# KiCad board controller_rev5.0_flat.kicad_pcb
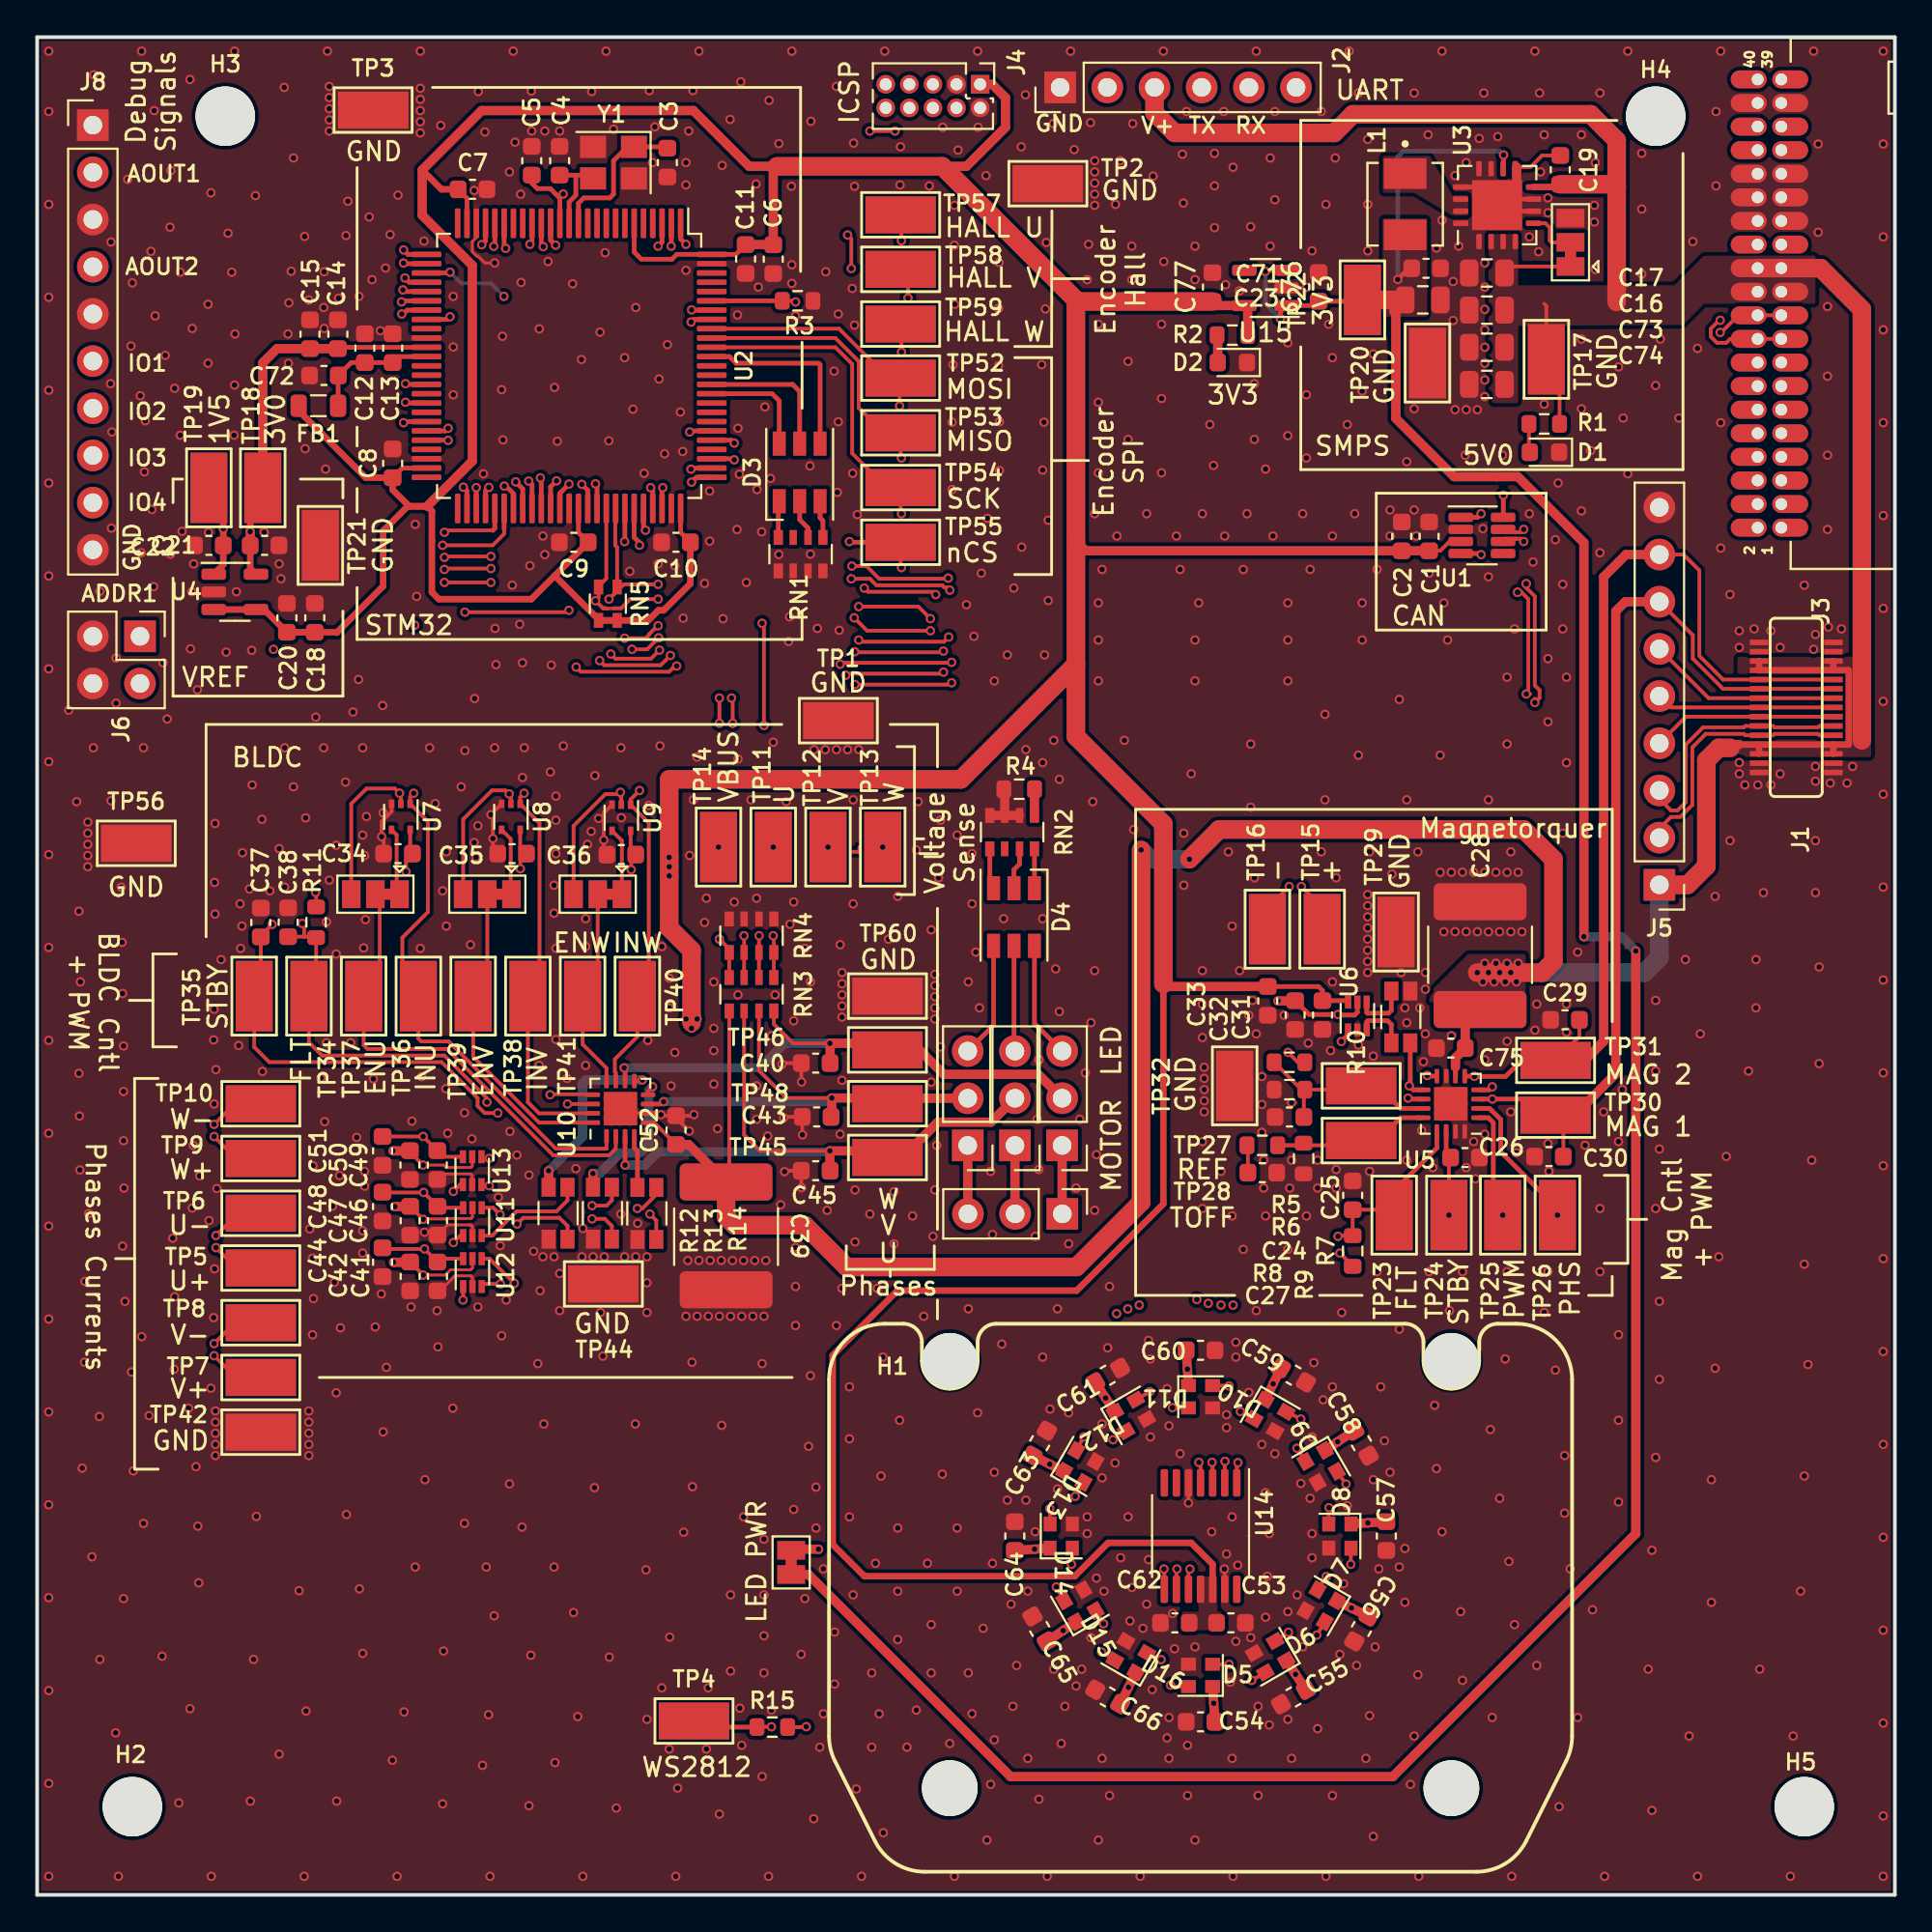
[diagram p0: board, top side]
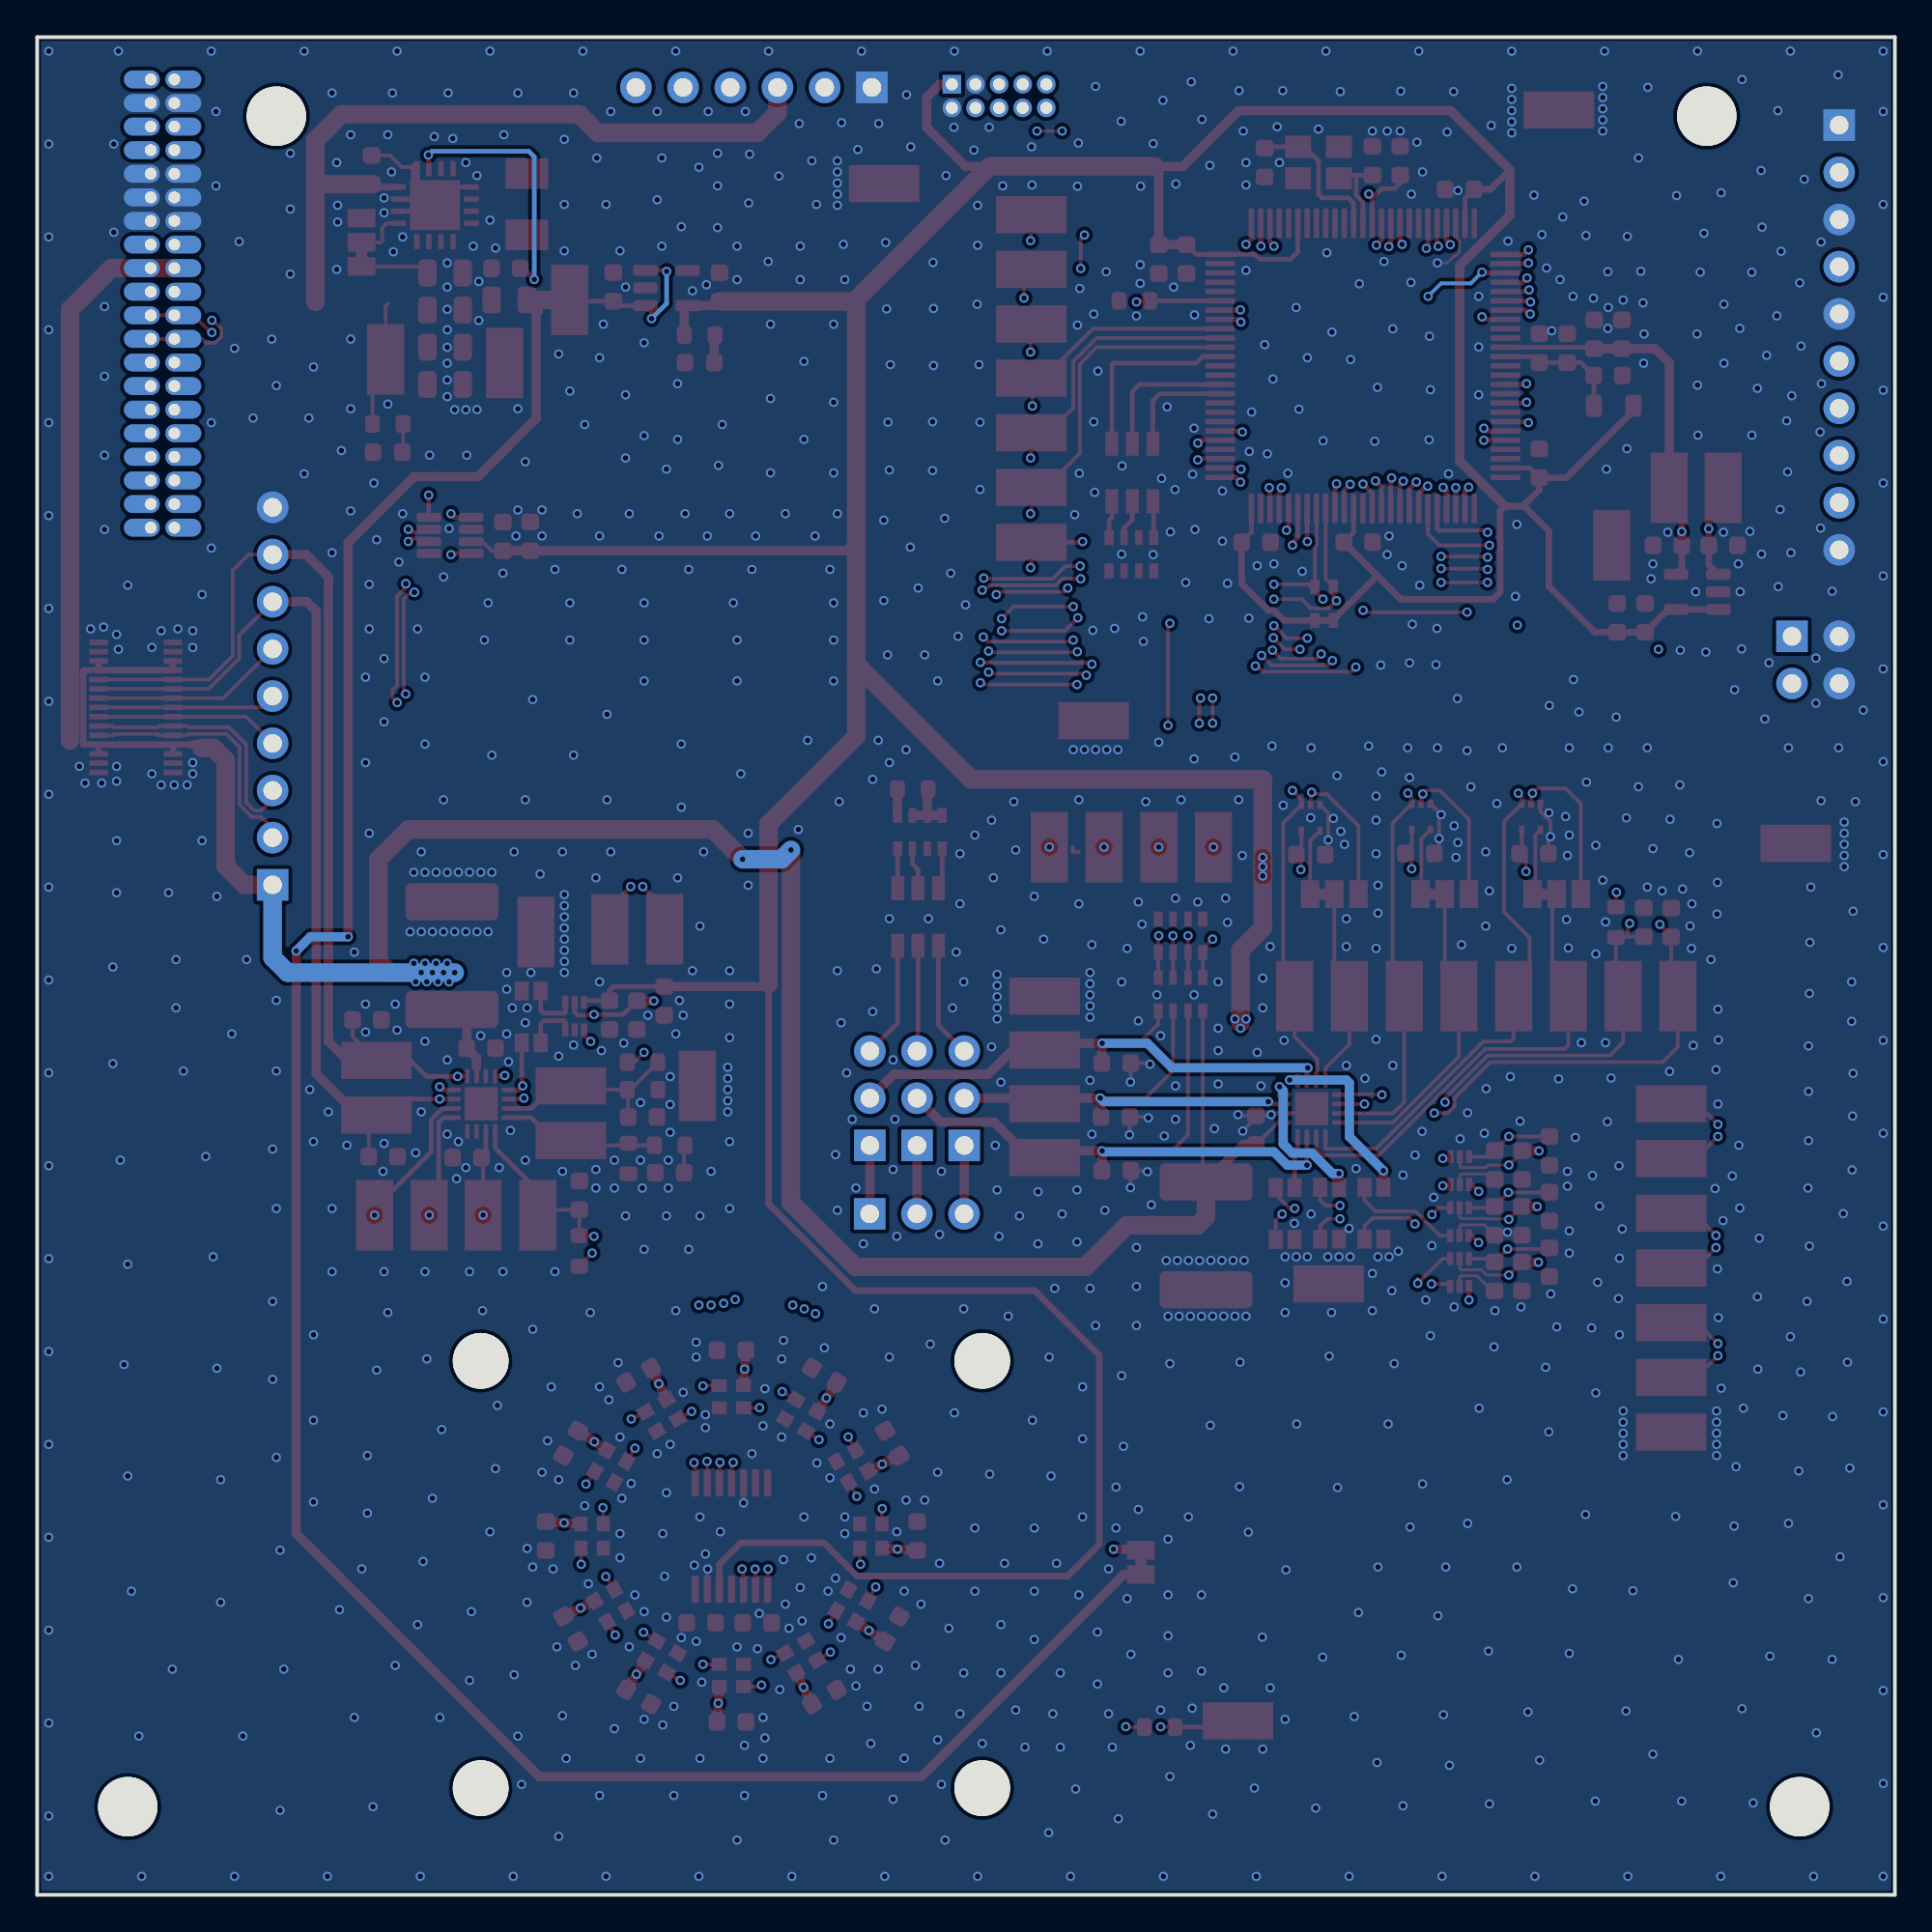
[diagram p1: board, bottom side, seen from below]

Outline 100 x 100 mm; copper layers: Top, In1.Cu, In2.Cu, Bottom. Coordinates in mm from the lower left corner of the outline.
Outline path: 0,100 0,0 100,0 100,100 0,100
Stack: Top 0.035mm / dielectric 0.2mm FR4 er 4.5 / In1.Cu 0.035mm / dielectric 1.04mm FR4 er 4.5 / In2.Cu 0.035mm / dielectric 0.2mm FR4 er 4.5 / Bottom 0.035mm

## Placement (name value [footprint] x y rotation side)
C1  100n  [C_0603_1608Metric]  74.93 73.13 90 top
C2  4.7u  [C_0603_1608Metric]  73.46 73.13 90 top
C3  20p  [C_0603_1608Metric]  33.93 93.25 270 top
C4  20p  [C_0603_1608Metric]  28.13 93.35 90 top
C5  100n  [C_0603_1608Metric]  26.63 93.35 90 top
C6  4.7u  [C_0603_1608Metric]  39.62 88.05 270 top
C7  100n  [C_0603_1608Metric]  23.44 91.81 0 top
C8  100n  [C_0603_1608Metric]  19.14 77.06 90 top
C9  100n  [C_0603_1608Metric]  28.89 72.81 180 top
C10  100n  [C_0603_1608Metric]  34.39 72.81 180 top
C11  100n  [C_0603_1608Metric]  38.14 88.06 270 top
C12  1u  [C_0603_1608Metric]  17.64 83.26 90 top
C13  10n  [C_0603_1608Metric]  19.14 83.26 90 top
C14  1u  [C_0603_1608Metric]  16.19 84.01 90 top
C15  100n  [C_0603_1608Metric]  14.69 84.01 90 top
C16  10u  [C_0805_2012Metric]  78.04 85.31 180 top
C17  10u  [C_0805_2012Metric]  78.04 87.31 180 top
C18  4.7u  [C_0603_1608Metric]  14.94 68.74 90 top
C19  1u  [C_0603_1608Metric]  81.99 92.86 90 top
C20  100n  [C_0603_1608Metric]  13.44 68.74 90 top
C21  100n  [C_0603_1608Metric]  12.24 72.64 0 top
C22  100n  [C_0603_1608Metric]  9.24 72.64 180 top
C23  47u  [C_0805_2012Metric]  74.59 85.86 0 top
C24  10n  [C_0603_1608Metric]  67.41 41.87 180 top
C25  10n  [C_0603_1608Metric]  70.82 37.66 90 top
C26  1n  [C_0603_1608Metric]  76.86 39.69 0 top
C27  22n  [C_0603_1608Metric]  65.95 38.87 0 top
C28  100u  [CKG57N]  77.67 50.56 90 top
C29  100p  [C_0603_1608Metric]  82.25 47.1 180 top
C30  100p  [C_0603_1608Metric]  81.38 39.74 180 top
C31  100n  [C_0603_1608Metric]  69.19 47.36 270 top
C32  100n  [C_0603_1608Metric]  67.72 47.36 270 top
C33  4.7u  [C_0603_1608Metric]  66.24 48.12 270 top
C34  100n  [C_0603_1608Metric]  19.43 56.05 180 top
C35  100n  [C_0603_1608Metric]  25.57 56.05 180 top
C36  100n  [C_0603_1608Metric]  31.45 56 180 top
C37  10n  [C_0603_1608Metric]  13.51 52.35 90 top
C38  1n  [C_0603_1608Metric]  12.04 52.34 90 top
C39  100u  [CKG57N]  37.08 35.47 270 top
C40  100p  [C_0603_1608Metric]  41.91 44.77 180 top
C41  100n  [C_0603_1608Metric]  21.55 33.29 270 top
C42  100n  [C_0603_1608Metric]  20.08 33.29 270 top
C43  100p  [C_0603_1608Metric]  41.96 41.88 180 top
C44  4.7u  [C_0603_1608Metric]  18.59 34.05 270 top
C45  100p  [C_0603_1608Metric]  41.91 38.98 180 top
C46  100n  [C_0603_1608Metric]  21.55 36.29 270 top
C47  100n  [C_0603_1608Metric]  20.08 36.29 270 top
C48  4.7u  [C_0603_1608Metric]  18.59 37.05 270 top
C49  100n  [C_0603_1608Metric]  21.54 39.29 270 top
C50  100n  [C_0603_1608Metric]  20.07 39.29 270 top
C51  4.7u  [C_0603_1608Metric]  18.59 40.05 270 top
C52  4.7u  [C_0603_1608Metric]  34.39 41.17 90 top
C53  100n  [C_0603_1608Metric]  64.26 14.64 0 top
C54  100n  [C_0603_1608Metric]  62.63 9.31 180 top
C55  100n  [C_0603_1608Metric]  67.63 10.65 210 top
C56  100n  [C_0603_1608Metric]  71.29 14.31 240 top
C57  100n  [C_0603_1608Metric]  72.63 19.31 270 top
C58  100n  [C_0603_1608Metric]  71.29 24.31 300 top
C59  100n  [C_0603_1608Metric]  67.63 27.97 330 top
C60  100n  [C_0603_1608Metric]  62.63 29.31 0 top
C61  100n  [C_0603_1608Metric]  57.63 27.97 30 top
C62  4.7u  [C_0603_1608Metric]  61.24 14.64 180 top
C63  100n  [C_0603_1608Metric]  53.97 24.31 60 top
C64  100n  [C_0603_1608Metric]  52.63 19.31 90 top
C65  100n  [C_0603_1608Metric]  53.97 14.31 120 top
C66  100n  [C_0603_1608Metric]  57.63 10.65 150 top
C71  4.7u  [C_0603_1608Metric]  74.77 87.56 0 top
C72  4.7u  [C_0603_1608Metric]  15.44 81.79 180 top
C73  10u  [C_0805_2012Metric]  78.04 83.31 180 top
C74  10u  [C_0805_2012Metric]  78.04 81.31 180 top
C75  4.7u  [C_0603_1608Metric]  76.1 45.58 180 top
C76  4.7u  [C_0603_1608Metric]  68.98 86.56 90 top
C77  4.7u  [C_0603_1608Metric]  63.27 86.55 90 top
D1  LED  [LED_0603_1608Metric]  81.14 77.66 180 top
D2  LED  [LED_0603_1608Metric]  64.34 82.49 180 top
D3  CLX6E-FKC-CH1M1D1BB7C3D3  [LED_RGB_PLCC-6-3DMODEL]  41.05 76.57 90 top
D4  CLX6E-FKC-CH1M1D1BB7C3D3  [LED_RGB_PLCC-6-3DMODEL]  52.58 52.64 270 top
D5  WS2812B  [SK6812-2020]  62.63 11.81 0 top
D6  WS2812B  [SK6812-2020]  66.38 12.82 30 top
D7  WS2812B  [SK6812-2020]  69.12 15.56 60 top
D8  WS2812B  [SK6812-2020]  70.13 19.31 90 top
D9  WS2812B  [SK6812-2020]  69.12 23.06 120 top
D10  WS2812B  [SK6812-2020]  66.38 25.81 150 top
D11  WS2812B  [SK6812-2020]  62.63 26.81 180 top
D12  WS2812B  [SK6812-2020]  58.88 25.81 210 top
D13  WS2812B  [SK6812-2020]  56.13 23.06 240 top
D14  WS2812B  [SK6812-2020]  55.13 19.31 270 top
D15  WS2812B  [SK6812-2020]  56.13 15.56 300 top
D16  WS2812B  [SK6812-2020]  58.88 12.82 330 top
FB1  FerriteBead_Small  [L_0805_2012Metric]  15.14 80.16 0 top
H1  RxnWheel  [reaction-wheel]  49.13 28.74 0 top
H2  Mounting Hole  [MountingHole_3.2mm_M3]  5.13 4.75 0 top
H3  Mounting Hole  [MountingHole_3.2mm_M3]  10.13 95.75 0 top
H4  Mounting Hole  [MountingHole_3.2mm_M3]  87.13 95.75 0 top
H5  Mounting Hole  [MountingHole_3.2mm_M3]  95.13 4.75 0 top
J1  MEZZ_PLUG  [MEZZANINE_PLUG]  94.69 63.92 90 top
J2  UART  [PinHeader_1x06_P2.54mm_Vertical]  55.07 97.29 90 top
J3  -  [J-SAMTEC-TFM-120-X1-XXX-D-RA]  93.25 85.66 270 top
J4  PROG  [PinHeader_2x05_P1.27mm_Vertical]  50.76 97.46 270 top
J5  MEZZ_BRKOUT  [PinHeader_1x09_P2.54mm_Vertical]  87.33 54.37 180 top
J6  ADDR  [PinHeader_2x02_P2.54mm_Vertical]  5.54 67.75 270 top
J7  MOTOR  [PinHeader_1x03_P2.54mm_Vertical]  55.19 36.66 270 top
J8  DEBUG_SIG  [PinHeader_1x10_P2.54mm_Vertical]  3 95.26 0 top
JP1  Jumper_3_Bridged12  [PinHeader_1x03_P2.54mm_Vertical]  55.18 40.34 180 top
JP2  Jumper_3_Bridged12  [PinHeader_1x03_P2.54mm_Vertical]  52.64 40.34 180 top
JP3  Jumper_3_Bridged12  [PinHeader_1x03_P2.54mm_Vertical]  50.09 40.34 180 top
JP4  SolderJumper_3_Bridged12  [SolderJumper-3_P1.3mm_Bridged12_Pad1.0x1.5mm]  82.54 88.96 90 top
JP5  SolderJumper_3_Bridged12  [SolderJumper-3_P1.3mm_Bridged12_Pad1.0x1.5mm]  18.21 53.87 180 top
JP6  SolderJumper_3_Bridged12  [SolderJumper-3_P1.3mm_Bridged12_Pad1.0x1.5mm]  24.23 53.87 180 top
JP7  SolderJumper_3_Bridged12  [SolderJumper-3_P1.3mm_Bridged12_Pad1.0x1.5mm]  30.18 53.87 180 top
JP8  Jumper_2_Bridged  [SolderJumper-2_P1.3mm_Bridged_Pad1.0x1.5mm]  40.59 17.89 90 top
L1  6.8u  [ECS-MPI4040R4]  73.64 91.01 270 top
NT1  NetTie_2  [NetTie-2_SMD_Pad0.5mm]  79.64 92.51 90 top
NT2  NetTie_2  [NetTie-2_SMD_Pad0.5mm]  67.3 48.12 180 top
NT3  NetTie_2  [NetTie-2_SMD_Pad0.5mm]  19.77 37.05 180 top
NT4  NetTie_2  [NetTie-2_SMD_Pad0.5mm]  19.7 34.05 180 top
NT5  NetTie_2  [NetTie-2_SMD_Pad0.5mm]  19.7 40.05 180 top
R1  1k  [R_0603_1608Metric]  81.13 79.18 180 top
R2  330  [R_0603_1608Metric]  64.34 83.96 180 top
R3  10k  [R_0603_1608Metric]  40.94 85.81 0 top
R4  40  [R_0603_1608Metric]  52.86 59.52 180 top
R5  36.5k  [R_0603_1608Metric]  67.41 44.82 0 top
R6  1k  [R_0603_1608Metric]  67.41 43.35 0 top
R7  18k  [R_0603_1608Metric]  70.82 34.66 90 top
R8  1k  [R_0603_1608Metric]  65.95 40.35 180 top
R9  47k  [R_0603_1608Metric]  68.17 39.64 270 top
R10  20m  [WSK1206]  73.41 47.26 270 top
R11  18k  [R_0603_1608Metric]  15.02 52.35 270 top
R12  40m  [WSK1206]  28.04 36.69 90 top
R13  40m  [WSK1206]  30.43 36.69 90 top
R14  40m  [WSK1206]  32.82 36.68 90 top
R15  220  [R_0603_1608Metric]  39.57 9.03 0 top
RN1  280  [R_Array_Convex_4x0603]  41.1 72.17 90 top
RN2  280  [R_Array_Convex_4x0603]  52.48 57.21 270 top
RN3  36k/1%  [R_Array_Convex_4x0603]  38.46 48.48 270 top
RN4  20k/1%  [R_Array_Convex_4x0603]  38.46 51.63 270 top
RN5  4.7k  [R_Array_Convex_2x0603]  30.72 69.5 270 top
TP1  TestPoint  [TestPoint_Keystone_5019_Minature-3DMODEL]  43.13 63.21 0 top
TP2  TestPoint  [TestPoint_Keystone_5019_Minature-3DMODEL]  54.41 92.11 0 top
TP3  TestPoint  [TestPoint_Keystone_5019_Minature-3DMODEL]  18.08 96.08 0 top
TP4  TestPoint  [TestPoint_Keystone_5019_Minature-3DMODEL]  35.36 9.36 0 top
TP5  TestPoint  [TestPoint_Keystone_5019_Minature-3DMODEL]  12.04 33.74 0 top
TP6  TestPoint  [TestPoint_Keystone_5019_Minature-3DMODEL]  12.04 36.69 0 top
TP7  TestPoint  [TestPoint_Keystone_5019_Minature-3DMODEL]  12.04 27.85 0 top
TP8  TestPoint  [TestPoint_Keystone_5019_Minature-3DMODEL]  12.04 30.8 0 top
TP9  TestPoint  [TestPoint_Keystone_5019_Minature-3DMODEL]  12.04 39.64 0 top
TP10  TestPoint  [TestPoint_Keystone_5019_Minature-3DMODEL]  12.04 42.58 0 top
TP11  TestPoint  [TestPoint_Keystone_5019_Minature-3DMODEL]  39.62 56.4 90 top
TP12  TestPoint  [TestPoint_Keystone_5019_Minature-3DMODEL]  42.57 56.4 90 top
TP13  TestPoint  [TestPoint_Keystone_5019_Minature-3DMODEL]  45.52 56.4 90 top
TP14  TestPoint  [TestPoint_Keystone_5019_Minature-3DMODEL]  36.68 56.4 90 top
TP15  TestPoint  [TestPoint_Keystone_5019_Minature-3DMODEL]  69.17 51.98 90 top
TP16  TestPoint  [TestPoint_Keystone_5019_Minature-3DMODEL]  66.23 51.98 90 top
TP17  TestPoint  [TestPoint_Keystone_5019_Minature-3DMODEL]  81.24 82.66 90 top
TP18  TestPoint  [TestPoint_Keystone_5019_Minature-3DMODEL]  12.14 75.74 90 top
TP19  TestPoint  [TestPoint_Keystone_5019_Minature-3DMODEL]  9.24 75.74 90 top
TP20  TestPoint  [TestPoint_Keystone_5019_Minature-3DMODEL]  74.84 82.46 90 top
TP21  TestPoint  [TestPoint_Keystone_5019_Minature-3DMODEL]  15.24 72.64 270 top
TP22  TestPoint  [TestPoint_Keystone_5019_Minature-3DMODEL]  71.34 85.86 90 top
TP23  TestPoint  [TestPoint_Keystone_5019_Minature-3DMODEL]  73.05 36.59 90 top
TP24  TestPoint  [TestPoint_Keystone_5019_Minature-3DMODEL]  76 36.59 270 top
TP25  TestPoint  [TestPoint_Keystone_5019_Minature-3DMODEL]  78.89 36.59 270 top
TP26  TestPoint  [TestPoint_Keystone_5019_Minature-3DMODEL]  81.84 36.59 270 top
TP27  TestPoint  [TestPoint_Keystone_5019_Minature-3DMODEL]  71.27 43.55 180 top
TP28  TestPoint  [TestPoint_Keystone_5019_Minature-3DMODEL]  71.27 40.6 180 top
TP29  TestPoint  [TestPoint_Keystone_5019_Minature-3DMODEL]  73.15 51.83 270 top
TP30  TestPoint  [TestPoint_Keystone_5019_Minature-3DMODEL]  81.74 41.97 180 top
TP31  TestPoint  [TestPoint_Keystone_5019_Minature-3DMODEL]  81.74 44.92 180 top
TP32  TestPoint  [TestPoint_Keystone_5019_Minature-3DMODEL]  64.47 43.55 270 top
TP34  TestPoint  [TestPoint_Keystone_5019_Minature-3DMODEL]  14.63 48.38 270 top
TP35  TestPoint  [TestPoint_Keystone_5019_Minature-3DMODEL]  11.68 48.38 270 top
TP36  TestPoint  [TestPoint_Keystone_5019_Minature-3DMODEL]  20.52 48.38 90 top
TP37  TestPoint  [TestPoint_Keystone_5019_Minature-3DMODEL]  17.58 48.38 90 top
TP38  TestPoint  [TestPoint_Keystone_5019_Minature-3DMODEL]  26.42 48.38 90 top
TP39  TestPoint  [TestPoint_Keystone_5019_Minature-3DMODEL]  23.47 48.38 90 top
TP40  TestPoint  [TestPoint_Keystone_5019_Minature-3DMODEL]  32.31 48.38 90 top
TP41  TestPoint  [TestPoint_Keystone_5019_Minature-3DMODEL]  29.36 48.38 90 top
TP42  TestPoint  [TestPoint_Keystone_5019_Minature-3DMODEL]  12.04 24.9 0 top
TP44  TestPoint  [TestPoint_Keystone_5019_Minature-3DMODEL]  30.48 32.88 180 top
TP45  TestPoint  [TestPoint_Keystone_5019_Minature-3DMODEL]  45.77 39.69 180 top
TP46  TestPoint  [TestPoint_Keystone_5019_Minature-3DMODEL]  45.77 45.48 180 top
TP48  TestPoint  [TestPoint_Keystone_5019_Minature-3DMODEL]  45.77 42.59 180 top
TP52  TestPoint  [TestPoint_Keystone_5019_Minature-3DMODEL]  46.48 81.65 0 top
TP53  TestPoint  [TestPoint_Keystone_5019_Minature-3DMODEL]  46.48 78.7 0 top
TP54  TestPoint  [TestPoint_Keystone_5019_Minature-3DMODEL]  46.48 75.76 0 top
TP55  TestPoint  [TestPoint_Keystone_5019_Minature-3DMODEL]  46.48 72.81 0 top
TP56  TestPoint  [TestPoint_Keystone_5019_Minature-3DMODEL]  5.33 56.6 0 top
TP57  TestPoint  [TestPoint_Keystone_5019_Minature-3DMODEL]  46.48 90.44 0 top
TP58  TestPoint  [TestPoint_Keystone_5019_Minature-3DMODEL]  46.48 87.5 0 top
TP59  TestPoint  [TestPoint_Keystone_5019_Minature-3DMODEL]  46.48 84.56 0 top
TP60  TestPoint  [TestPoint_Keystone_5019_Minature-3DMODEL]  45.77 48.38 180 top
U1  TCAN330  [SOT-23-8]  77.77 73.18 0 top
U2  STM32G473V  [LQFP-100_14x14mm_P0.5mm]  28.64 82.31 270 top
U3  TPS62112  [QFN-16-1EP_4x4mm_P0.65mm_EP2.7x2.7mm]  78.59 90.96 90 top
U4  REF2030  [TSOT-23-5]  10.64 70.14 0 top
U5  STSPIN250  [VQFN-16-1EP_3x3mm_P0.5mm_EP1.8x1.8mm]  76.1 42.58 180 top
U6  INA185  [SOT-563]  71.07 47.31 90 top
U7  SN74LVC1G86  [SOT-553]  19.58 58.03 270 top
U8  SN74LVC1G86  [SOT-553]  25.5 58.03 270 top
U9  SN74LVC1G86  [SOT-553]  31.45 57.98 270 top
U10  STSPIN233  [VQFN-16-1EP_3x3mm_P0.5mm_EP1.8x1.8mm]  31.4 42.32 90 top
U11  INA185  [SOT-563]  23.43 36.24 90 top
U12  INA185  [SOT-563]  23.43 33.49 90 top
U13  INA185  [SOT-563]  23.42 38.98 90 top
U14  AS5047P  [TSSOP-14_4.4x5mm_P0.65mm]  62.63 19.31 270 top
U15  MIC5504-3.3YM5  [SOT-23-5]  66.12 86.5 180 top
Y1  16MHz  [Crystal_SMD_3225-4Pin_3.2x2.5mm]  31.03 93.25 180 top

## Library data of the parts
C23 = -: P/N: GRM21BR61A476ME15
C28 C39 = -: P/N: CKG57NX7S1C107M500JH
L1 = -: P/N: ECS-MPI4040R4-6R8-R
R10 = -: P/N: WSK1206R0200FEA18
R12-R14 = -: P/N: WSK1206R0400FEA18
Y1 = -: P/N: ABM10

## Footprints (pads in the part's own frame, mm; a bottom-side part is the same pattern mirrored in y, then rotated)
C_0603_1608Metric
  rrect 0.9x0.95 smd: 1(-0.775,0) 2(0.775,0)
C_0805_2012Metric
  rrect 1x1.45 smd: 1(-0.95,0) 2(0.95,0)
CKG57N
  rrect 2x5 smd: 1(-2.9,0) 2(2.9,0)
Crystal_SMD_3225-4Pin_3.2x2.5mm
  rect 1.4x1.2 smd: 1(-1.1,-0.85) 2(1.1,-0.85) 3(1.1,0.85) 4(-1.1,0.85)
ECS-MPI4040R4
  rect 1.65x2.3 smd: 1(-1.65,0) 2(1.65,0)
J-SAMTEC-TFM-120-X1-XXX-D-RA
  oval 0.965x1.93 hole 0.635: 1(12.065,0.635) 2(12.065,-0.635) 3(10.795,0.635) 4(10.795,-0.635) 5(9.525,0.635) 6(9.525,-0.635) 7(8.255,0.635) 8(8.255,-0.635) 9(6.985,0.635) 10(6.985,-0.635) 11(5.715,0.635) 12(5.715,-0.635) 13(4.445,0.635) 14(4.445,-0.635) 15(3.175,0.635) 16(3.175,-0.635) 17(1.905,0.635) 18(1.905,-0.635) 19(0.635,0.635) 20(0.635,-0.635) 21(-0.635,0.635) 22(-0.635,-0.635) 23(-1.905,0.635) 24(-1.905,-0.635) 25(-3.175,0.635) 26(-3.175,-0.635) 27(-4.445,0.635) 28(-4.445,-0.635) 29(-5.715,0.635) 30(-5.715,-0.635) 31(-6.985,0.635) 32(-6.985,-0.635) 33(-8.255,0.635) 34(-8.255,-0.635) 35(-9.525,0.635) 36(-9.525,-0.635) 37(-10.795,0.635) 38(-10.795,-0.635) 39(-12.065,0.635) 40(-12.065,-0.635)
L_0805_2012Metric
  rrect 0.875x1.2 smd: 1(-1.062,0) 2(1.062,0)
LED_0603_1608Metric
  rrect 0.875x0.95 smd: 1(-0.787,0) 2(0.787,0)
LED_RGB_PLCC-6-3DMODEL
  rect 1.3x0.7 smd: 1(-1.55,1.1) 2(-1.55,0) 3(-1.55,-1.1) 4(1.55,-1.1) 5(1.55,0) 6(1.55,1.1)
LQFP-100_14x14mm_P0.5mm
  rrect 1.6x0.3 smd: 1(-7.675,6) 2(-7.675,5.5) 3(-7.675,5) 4(-7.675,4.5) 5(-7.675,4) 6(-7.675,3.5) 7(-7.675,3) 8(-7.675,2.5) 9(-7.675,2) 10(-7.675,1.5) 11(-7.675,1) 12(-7.675,0.5) 13(-7.675,0) 14(-7.675,-0.5) 15(-7.675,-1) 16(-7.675,-1.5) 17(-7.675,-2) 18(-7.675,-2.5) 19(-7.675,-3) 20(-7.675,-3.5) 21(-7.675,-4) 22(-7.675,-4.5) 23(-7.675,-5) 24(-7.675,-5.5) 25(-7.675,-6) 51(7.675,-6) 52(7.675,-5.5) 53(7.675,-5) 54(7.675,-4.5) 55(7.675,-4) 56(7.675,-3.5) 57(7.675,-3) 58(7.675,-2.5) 59(7.675,-2) 60(7.675,-1.5) 61(7.675,-1) 62(7.675,-0.5) 63(7.675,0) 64(7.675,0.5) 65(7.675,1) 66(7.675,1.5) 67(7.675,2) 68(7.675,2.5) 69(7.675,3) 70(7.675,3.5) 71(7.675,4) 72(7.675,4.5) 73(7.675,5) 74(7.675,5.5) 75(7.675,6)
  rrect 0.3x1.6 smd: 26(-6,-7.675) 27(-5.5,-7.675) 28(-5,-7.675) 29(-4.5,-7.675) 30(-4,-7.675) 31(-3.5,-7.675) 32(-3,-7.675) 33(-2.5,-7.675) 34(-2,-7.675) 35(-1.5,-7.675) 36(-1,-7.675) 37(-0.5,-7.675) 38(0,-7.675) 39(0.5,-7.675) 40(1,-7.675) 41(1.5,-7.675) 42(2,-7.675) 43(2.5,-7.675) 44(3,-7.675) 45(3.5,-7.675) 46(4,-7.675) 47(4.5,-7.675) 48(5,-7.675) 49(5.5,-7.675) 50(6,-7.675) 76(6,7.675) 77(5.5,7.675) 78(5,7.675) 79(4.5,7.675) 80(4,7.675) 81(3.5,7.675) 82(3,7.675) 83(2.5,7.675) 84(2,7.675) 85(1.5,7.675) 86(1,7.675) 87(0.5,7.675) 88(0,7.675) 89(-0.5,7.675) 90(-1,7.675) 91(-1.5,7.675) 92(-2,7.675) 93(-2.5,7.675) 94(-3,7.675) 95(-3.5,7.675) 96(-4,7.675) 97(-4.5,7.675) 98(-5,7.675) 99(-5.5,7.675) 100(-6,7.675)
MEZZANINE_PLUG
  rect 0.3x1 smd: P$1(-3.5,2) P$2(-3,2) P$3(-2.5,2) P$4(-2,2) P$5(-1.5,2) P$6(-1,2) P$7(-0.5,2) P$8(0,2) P$9(0.5,2) P$10(1,2) P$11(1.5,2) P$12(2,2) P$13(2.5,2) P$14(3,2) P$15(3.5,2) P$16(3.5,-2) P$17(3,-2) P$18(2.5,-2) P$19(2,-2) P$20(1.5,-2) P$21(1,-2) P$22(0.5,-2) P$23(0,-2) P$24(-0.5,-2) P$25(-1,-2) P$26(-1.5,-2) P$27(-2,-2) P$28(-2.5,-2) P$29(-3,-2) P$30(-3.5,-2)
MountingHole_3.2mm_M3
  round 3.2 hole 3.2 unplated: (0,0)
NetTie-2_SMD_Pad0.5mm
  round 0.5 smd: 1(-0.5,0) 2(0.5,0)
PinHeader_1x03_P2.54mm_Vertical
  rect 1.7x1.7 hole 1: 1(0,0)
  oval 1.7x1.7 hole 1: 2(0,-2.54) 3(0,-5.08)
PinHeader_1x06_P2.54mm_Vertical
  rect 1.7x1.7 hole 1: 1(0,0)
  oval 1.7x1.7 hole 1: 2(0,-2.54) 3(0,-5.08) 4(0,-7.62) 5(0,-10.16) 6(0,-12.7)
PinHeader_1x09_P2.54mm_Vertical
  rect 1.7x1.7 hole 1: 1(0,0)
  oval 1.7x1.7 hole 1: 2(0,-2.54) 3(0,-5.08) 4(0,-7.62) 5(0,-10.16) 6(0,-12.7) 7(0,-15.24) 8(0,-17.78) 9(0,-20.32)
PinHeader_1x10_P2.54mm_Vertical
  rect 1.7x1.7 hole 1: 1(0,0)
  oval 1.7x1.7 hole 1: 2(0,-2.54) 3(0,-5.08) 4(0,-7.62) 5(0,-10.16) 6(0,-12.7) 7(0,-15.24) 8(0,-17.78) 9(0,-20.32) 10(0,-22.86)
PinHeader_2x02_P2.54mm_Vertical
  rect 1.7x1.7 hole 1: 1(0,0)
  oval 1.7x1.7 hole 1: 2(2.54,0) 3(0,-2.54) 4(2.54,-2.54)
PinHeader_2x05_P1.27mm_Vertical
  rect 1x1 hole 0.65: 1(0,0)
  oval 1x1 hole 0.65: 2(1.27,0) 3(0,-1.27) 4(1.27,-1.27) 5(0,-2.54) 6(1.27,-2.54) 7(0,-3.81) 8(1.27,-3.81) 9(0,-5.08) 10(1.27,-5.08)
QFN-16-1EP_4x4mm_P0.65mm_EP2.7x2.7mm
  rrect 1.09x1.09 smd: (-0.675,0.675) (-0.675,-0.675) (0.675,0.675) (0.675,-0.675)
  rrect 0.825x0.3 smd: 1(-1.962,0.975) 2(-1.962,0.325) 3(-1.962,-0.325) 4(-1.962,-0.975) 9(1.962,-0.975) 10(1.962,-0.325) 11(1.962,0.325) 12(1.962,0.975)
  rrect 0.3x0.825 smd: 5(-0.975,-1.962) 6(-0.325,-1.962) 7(0.325,-1.962) 8(0.975,-1.962) 13(0.975,1.962) 14(0.325,1.962) 15(-0.325,1.962) 16(-0.975,1.962)
  rect 2.7x2.7 smd: 17(0,0)
R_0603_1608Metric
  rrect 0.8x0.95 smd: 1(-0.825,0) 2(0.825,0)
R_Array_Convex_2x0603
  rect 0.8x0.5 smd: 1(-0.9,0.5) 2(-0.9,-0.5) 3(0.9,-0.5) 4(0.9,0.5)
R_Array_Convex_4x0603
  rect 0.8x0.5 smd: 1(-0.9,1.2) 4(-0.9,-1.2) 5(0.9,-1.2) 8(0.9,1.2)
  rect 0.8x0.4 smd: 2(-0.9,0.4) 3(-0.9,-0.4) 6(0.9,-0.4) 7(0.9,0.4)
reaction-wheel
  round 3 hole 3 unplated: (0,0) (0,-23) (27,0) (27,-23)
SK6812-2020
  rect 0.8x0.7 smd: 1(0.65,-0.6) 2(0.65,0.6) 3(-0.65,0.6) 4(-0.65,-0.6)
SolderJumper-2_P1.3mm_Bridged_Pad1.0x1.5mm
  rect 1x1.5 smd: 1(-0.65,0) 2(0.65,0)
SolderJumper-3_P1.3mm_Bridged12_Pad1.0x1.5mm
  rect 1x1.5 smd: 1(-1.3,0) 2(0,0) 3(1.3,0)
SOT-23-5
  rrect 1.325x0.6 smd: 1(-1.137,0.95) 2(-1.137,0) 3(-1.137,-0.95) 4(1.137,-0.95) 5(1.137,0.95)